# Allegro board 8880F5-0823__zarif.brd (continued)
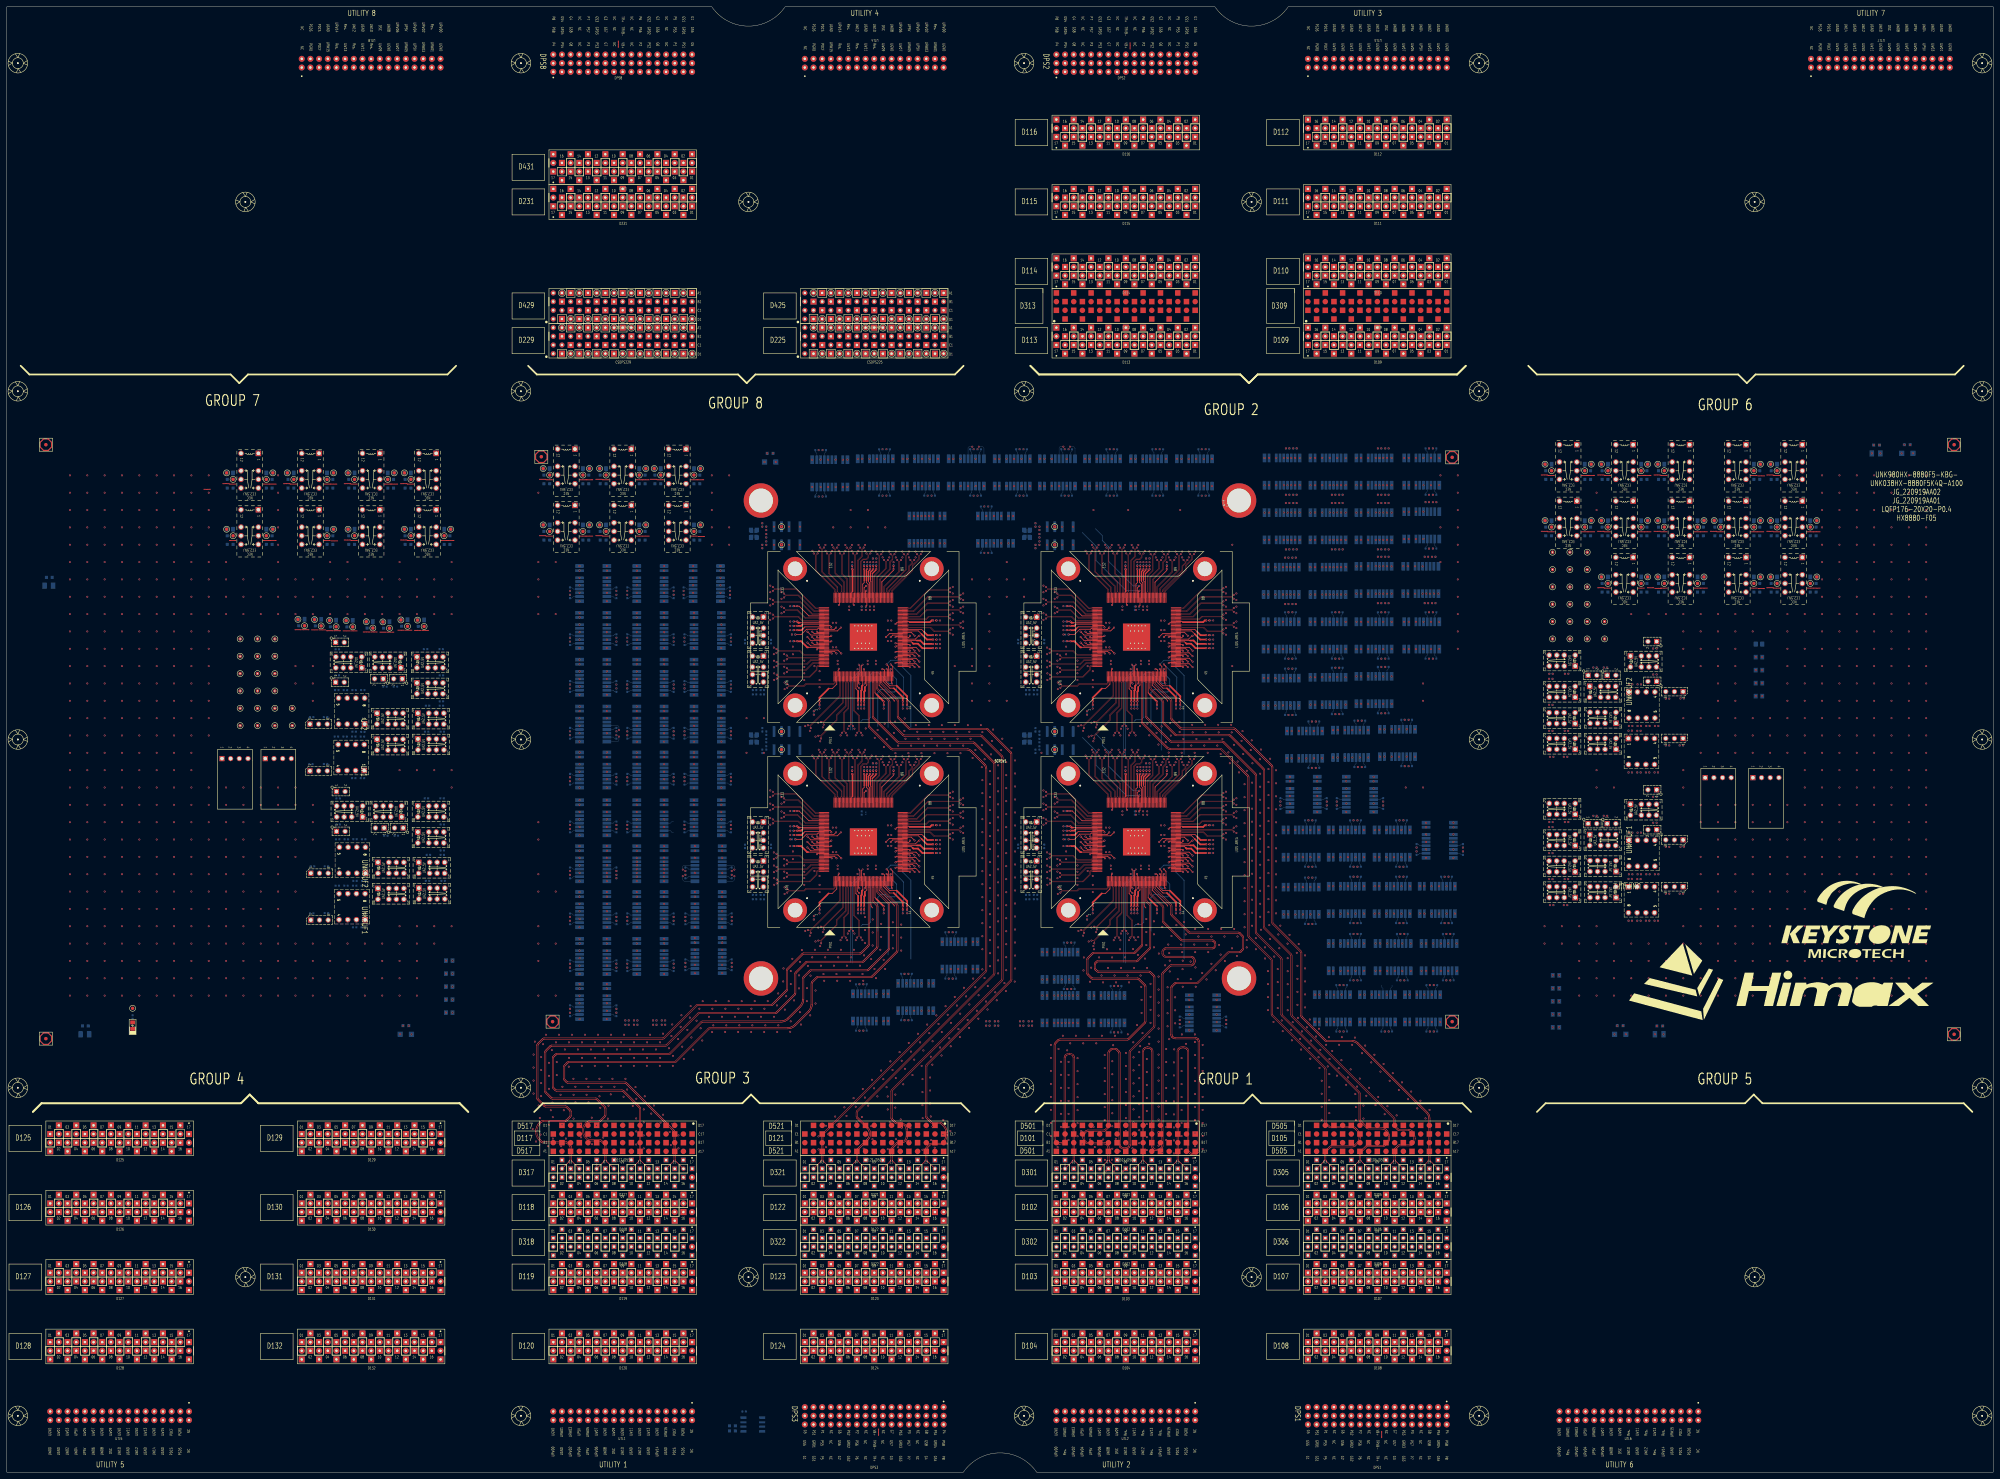
[diagram p0: board, top side]
## Routing (per net, layer and track width the routed paths; a pad name or vN(x,y) marks a point on that pad's centre or on a via; arc(x,y) is an arc through that point) (continued)
D10409: length 413.5
  TOP w0.086: v1(305.39,176.18) 305.85,176.63 314.38,176.63 315.46,177.71 317.6,177.71 317.68,177.63 SITE4.172
  L03_SIGNAL w0.071: v1(382.29,174.18) 381.82,173.71 381.82,172.37 380.29,170.85 380.29,154.51 378.99,153.22 378.99,131.07 359.98,112.07 359.98,16.23 352.84,9.08 284.12,9.08 280.97,12.23 280.97,20.3 283.52,22.85 324.32,22.85 329.61,28.14 329.61,33.61 D104.09
  L28_SIGNAL w0.071: v1(382.29,174.18) 381.82,173.71 381.82,172.79 381.31,172.28 378.13,172.28 377.03,173.38 356.25,173.38 355.47,174.17 323.36,174.17 320.87,176.65 305.87,176.65 v1(305.39,176.18)
D10410: length 457
  TOP w0.086: SITE4.12 326.63,171.48 326.55,171.4 326.55,163.72 325.23,162.4 325.23,157.05 v1(325.68,156.6)
  L03_SIGNAL w0.071: v1(343.47,131.3) 343.94,131.77 345.27,131.77 350.94,126.1 350.94,53.48 343.17,45.7 335.55,45.7 333.66,43.81 333.66,40.79 332.45,39.57 331.67,39.57 D104.10
  L28_SIGNAL w0.071: v1(325.68,156.6) 325.21,156.12 325.21,154.2 318.54,147.52 318.54,142.2 317.73,141.39 317.73,113.34 321.22,109.85 327.4,109.85 330.2,107.05 335.69,107.05 336.28,106.45 338.04,106.45 339.37,107.78 350.11,107.78 352.17,109.85 389.84,109.85 393.78,105.91 409.23,105.91 413.17,109.85 416.36,109.85 417.44,110.93 417.44,112.69 416.9,113.24 396.86,113.24 395.79,112.17 391.11,112.17 389.44,113.84 352.76,113.84 350.72,111.8 343.14,111.8 342.33,110.99 339.36,110.99 337.92,112.43 328.03,112.43 326.93,113.53 326.93,115.75 327.72,116.54 338.03,116.54 340.68,119.19 351.22,119.19 352.67,117.74 366.73,117.74 367.47,118.47 367.47,119.75 366.6,120.62 351.69,120.62 347.05,125.25 347.05,129.55 344.83,131.77 343.94,131.77 v1(343.47,131.3)
D10411: length 413.5
  TOP w0.086: SITE4.171 317.68,178.03 317.6,177.95 315.37,177.95 314.29,176.87 305.85,176.87 v1(305.39,177.32)
  L03_SIGNAL w0.071: D104.11 331.27,34.09 330.31,34.09 329.81,33.59 329.81,28.05 324.41,22.65 283.6,22.65 281.17,20.22 281.17,12.31 284.2,9.28 352.75,9.28 359.79,16.31 359.79,112.15 378.79,131.15 378.79,153.3 380.09,154.6 380.09,170.93 381.62,172.46 381.62,173.71 v1(381.15,174.18)
  L28_SIGNAL w0.071: v1(381.15,174.18) 381.62,173.71 381.62,172.87 381.23,172.48 378.22,172.48 377.11,173.58 356.34,173.58 355.55,174.37 323.44,174.37 320.96,176.85 305.87,176.85 v1(305.39,177.32)
D10412: length 457
  TOP w0.086: v1(324.54,156.6) 324.99,157.05 324.99,162.5 326.31,163.82 326.31,171.4 326.23,171.48 SITE4.11
  L03_SIGNAL w0.071: D104.12 333.86,39.52 333.86,39.62 333.86,43.73 335.64,45.5 343.25,45.5 351.14,53.39 351.14,126.18 345.35,131.97 343.94,131.97 v1(343.47,132.44)
  L28_SIGNAL w0.071: v1(343.47,132.44) 343.94,131.97 344.91,131.97 347.25,129.63 347.25,125.34 351.77,120.82 366.69,120.82 367.67,119.84 367.67,118.39 366.82,117.54 352.59,117.54 351.14,118.99 340.77,118.99 338.11,116.34 327.8,116.34 327.13,115.67 327.13,113.61 328.11,112.63 338,112.63 339.44,111.19 342.25,111.19 343.06,112 350.63,112 352.67,114.04 389.52,114.04 391.19,112.36 395.71,112.36 396.78,113.43 416.98,113.43 417.64,112.77 417.64,110.84 416.45,109.65 413.25,109.65 409.31,105.71 393.7,105.71 389.76,109.65 352.25,109.65 350.19,107.59 339.45,107.59 338.12,106.26 336.2,106.26 335.61,106.85 330.12,106.85 327.32,109.65 321.14,109.65 317.53,113.26 317.53,141.47 318.34,142.28 318.34,147.61 325.01,154.28 325.01,156.12 v1(324.54,156.6)
D10413: length 457
  TOP w0.086: SITE4.8 325.03,171.48 324.95,171.4 324.95,165.37 319.21,159.63 v1(319.21,158.99)
  L03_SIGNAL w0.071: v1(372.94,195.31) 372.46,195.78 371.41,195.78 370.92,195.29 370.92,154.11 370.35,153.54 370.35,149.88 370.92,149.32 370.92,132.96 355.8,117.84 355.8,37.64 347.51,29.35 341.53,29.35 340.18,30.69 340.18,33.2 D104.13
  L28_SIGNAL w0.071: v1(372.94,195.31) 372.46,195.78 365.88,195.78 360.85,200.81 356.39,200.81 352.79,197.21 311.18,197.21 304.17,204.22 304.17,211.73 299.83,216.08 286.04,216.08 285.42,215.46 285.42,214.29 286.19,213.52 300.56,213.52 301.86,212.22 301.86,210.41 300.83,209.38 290.71,209.38 288.21,211.88 286.9,211.88 285.17,210.15 282.3,210.15 278.16,206.01 278.16,179.39 279.63,177.92 279.63,168.48 287.47,160.64 303.65,160.64 304.98,161.97 304.98,165.51 309.32,169.85 315.43,169.85 320.49,164.79 320.49,160.94 319.21,159.66 v1(319.21,158.99)
D10414: length 457
  TOP w0.086: SITE4.10 325.83,171.48 325.75,171.4 325.75,164.32 323.1,161.66 323.1,160.24 318.42,155.56 v1(318.42,154.92)
  L03_SIGNAL w0.071: v1(357.06,131.3) 357.53,131.77 358.93,131.77 360,130.7 360,127.46 353.29,120.74 353.29,51.08 343.54,41.33 343.54,40.13 343.07,39.66 341.92,39.66 D104.14
  L28_SIGNAL w0.071: v1(318.42,154.92) 317.75,154.92 314.61,151.78 314.61,106.83 317.08,104.36 326.33,104.36 327.28,105.32 333.15,105.32 334.36,104.1 351.74,104.1 362.13,93.72 403.95,93.72 404.99,94.76 404.99,96.84 404.05,97.79 363.54,97.79 362.38,98.95 362.38,100.96 363.51,102.1 410.98,102.1 419.97,111.09 419.97,113.34 415.89,117.42 403.78,117.42 402.26,118.93 392.93,118.93 391.41,117.42 373.02,117.42 358.67,131.77 357.53,131.77 v1(357.06,131.3)
D10415: length 457
  TOP w0.086: v1(318.4,159.8) 319.04,159.8 324.71,165.47 324.71,171.4 324.63,171.48 SITE4.7
  L03_SIGNAL w0.071: D104.15 341.81,34.47 341.33,34.47 340.38,33.52 340.38,30.78 341.61,29.55 347.43,29.55 355.6,37.72 355.6,117.92 370.72,133.04 370.72,149.23 370.15,149.8 370.15,153.62 370.72,154.19 370.72,195.37 371.32,195.98 372.46,195.98 v1(372.94,196.45)
  L28_SIGNAL w0.071: v1(372.94,196.45) 372.46,195.98 365.96,195.98 360.93,201.01 356.31,201.01 352.71,197.41 311.26,197.41 304.37,204.3 304.37,211.81 299.91,216.28 285.96,216.28 285.22,215.54 285.22,214.21 286.11,213.32 300.47,213.32 301.66,212.14 301.66,210.49 300.74,209.58 290.79,209.58 288.29,212.08 286.82,212.08 285.09,210.35 282.22,210.35 277.96,206.09 277.96,179.31 279.43,177.84 279.43,168.4 287.38,160.44 303.73,160.44 305.18,161.89 305.18,165.43 309.4,169.65 315.35,169.65 320.3,164.71 320.3,161.03 319.07,159.8 v1(318.4,159.8)
D10416: length 457
  TOP w0.086: v1(317.61,155.73) 318.25,155.73 322.86,160.34 322.86,161.76 325.51,164.41 325.51,171.4 325.43,171.48 SITE4.9
  L03_SIGNAL w0.071: v1(357.06,132.44) 357.53,131.97 359.01,131.97 360.2,130.78 360.2,127.37 353.48,120.66 353.48,50.99 343.74,41.25 343.74,39.9 343.74,39.8 D104.16
  L28_SIGNAL w0.071: v1(357.06,132.44) 357.53,131.97 358.75,131.97 373.1,117.61 391.33,117.61 392.84,119.13 402.35,119.13 403.86,117.61 415.98,117.61 420.17,113.42 420.17,111.01 411.06,101.9 363.6,101.9 362.57,100.88 362.57,99.03 363.62,97.99 404.13,97.99 405.19,96.92 405.19,94.68 404.03,93.52 362.05,93.52 351.66,103.91 334.28,103.91 333.07,105.12 327.36,105.12 326.41,104.17 317,104.17 314.41,106.75 314.41,151.86 317.61,155.06 v1(317.61,155.73)
D10801: length 457
  TOP w0.086: SITE4.5 323.83,171.48 323.91,171.4 323.91,167.47 315.24,158.8 v1(314.6,158.8)
  L03_SIGNAL w0.071: v1(386.52,196.45) 387,195.98 387.43,195.98 388.06,195.35 388.06,190.1 385.9,187.94 385.9,127.71 373.28,115.09 373.28,32.53 376.14,29.67 382.76,29.67 383.66,30.57 383.66,33.26 382.97,33.94 382.62,33.94 D108.01
  L28_SIGNAL w0.071: v1(314.6,158.8) 315.27,158.8 315.63,159.16 315.63,159.74 315.21,160.16 313.47,160.16 309.83,156.51 287.7,156.51 275.45,168.76 275.45,208 279.55,212.1 282.14,212.1 283.58,213.54 283.58,215.39 282.91,216.05 269.64,216.05 268.83,216.87 268.83,218.85 269.6,219.62 298.49,219.62 306.01,212.1 310.22,212.1 315.69,206.62 320.92,206.62 326.3,201.24 334.47,201.24 336.87,198.84 352.94,198.84 357.4,203.3 366.51,203.3 370.15,199.66 372.31,199.66 374.51,197.46 383.29,197.46 384.77,195.98 386.05,195.98 v1(386.52,196.45)
D10802: length 457
  TOP w0.086: v1(330.13,156.61) 329.68,157.05 329.68,161.65 328.15,163.18 328.15,171.4 328.23,171.48 SITE4.16
  L03_SIGNAL w0.071: v1(389.45,195.31) 389.92,195.78 390.47,195.78 391.08,195.17 391.08,186.1 387.7,182.71 387.7,124.31 375.9,112.51 375.9,48.41 379.53,44.78 384.57,44.78 386.56,42.8 386.56,39.69 386.23,39.36 384.8,39.36 D108.02
  L28_SIGNAL w0.071: v1(330.13,156.61) 329.66,156.13 329.66,154.83 329.19,154.36 329.19,147.38 338.9,137.67 448.12,137.67 451.38,140.93 451.38,147.41 457.83,153.85 457.83,196.05 456.57,197.3 392.75,197.3 391.23,195.78 389.92,195.78 v1(389.45,195.31)
D10803: length 457
  TOP w0.086: SITE4.6 324.23,171.48 324.15,171.4 324.15,167.37 315.41,158.63 v1(315.41,157.99)
  L03_SIGNAL w0.071: v1(386.52,195.31) 387,195.78 387.34,195.78 387.86,195.26 387.86,190.18 385.7,188.02 385.7,127.8 373.08,115.17 373.08,32.45 376.06,29.47 382.84,29.47 383.86,30.49 383.86,33.34 D108.03
  L28_SIGNAL w0.071: v1(386.52,195.31) 386.05,195.78 384.69,195.78 383.21,197.26 374.42,197.26 372.22,199.46 370.07,199.46 366.43,203.11 357.48,203.11 353.02,198.64 336.79,198.64 334.39,201.04 326.22,201.04 320.83,206.42 315.61,206.42 310.14,211.9 305.92,211.9 298.41,219.42 269.68,219.42 269.02,218.76 269.02,216.96 269.73,216.25 282.99,216.25 283.78,215.47 283.78,213.45 282.22,211.9 279.64,211.9 275.65,207.92 275.65,168.84 287.78,156.71 309.74,156.71 313.39,160.35 315.3,160.35 315.82,159.83 315.82,159.08 315.41,158.66 v1(315.41,157.99)
D10804: length 457
  TOP w0.086: v1(328.99,156.61) 329.45,157.06 329.45,161.55 327.91,163.08 327.91,171.4 327.83,171.48 SITE4.15
  L03_SIGNAL w0.071: v1(389.45,196.45) 389.92,195.98 390.55,195.98 391.28,195.25 391.28,186.01 387.9,182.63 387.9,124.22 376.1,112.43 376.1,48.49 379.61,44.98 384.65,44.98 386.76,42.88 386.76,39.96 D108.04
  L28_SIGNAL w0.071: v1(328.99,156.61) 329.46,156.13 329.46,154.91 328.99,154.44 328.99,147.3 338.82,137.47 448.2,137.47 451.58,140.85 451.58,147.32 458.03,153.77 458.03,196.13 456.65,197.5 392.67,197.5 391.14,195.98 389.92,195.98 v1(389.45,196.45)
D10805: length 413.5
  TOP w0.086: v1(305.46,173.61) 305.91,173.16 315.09,173.16 317.01,175.08 317.01,175.98 317.38,176.35 317.6,176.35 317.68,176.43 SITE4.175
  L03_SIGNAL w0.071: D108.05 392.36,34.36 392.62,34.36 393.84,33.13 393.84,26.23 397.32,22.76 397.32,12.65 398.59,11.37 439.55,11.37 440.92,10.01 440.92,6.25 439.34,4.67 373.83,4.67 370.11,8.39 370.11,116.61 383.73,130.23 383.73,161.54 383.15,162.12 382.21,162.12 381.62,161.53 381.62,161.06 v1(381.15,160.59)
  L28_SIGNAL w0.071: v1(381.15,160.59) 381.62,160.12 381.62,159.16 381.16,158.7 379.86,158.7 378.93,159.63 378.93,164.47 374.8,168.6 355.85,168.6 352.2,172.25 328.12,172.25 326.97,171.1 318.09,171.1 316.06,173.14 305.93,173.14 v1(305.46,173.61)
D10806: length 413.5
  TOP w0.086: SITE4.170 317.68,178.43 317.6,178.5 308.77,178.5 v1(308.38,178.12)
  L03_SIGNAL w0.071: D108.06 395.77,40.17 395.77,46.89 393.37,49.3 380.79,49.3 378.63,51.46 378.63,89.43 387.04,97.84 393.32,97.84 396.03,100.55 396.03,110.42 397.26,111.65 397.26,116.28 395.33,118.21 395.33,141.04 396.28,141.99 396.28,166.48 395.46,167.3 392.82,167.3 391.96,166.44 391.96,145.91 392.66,145.21 392.66,117.33 393.71,116.28 393.71,113.57 392.66,112.52 392.66,103.75 391.98,103.07 390.19,103.07 389.46,103.8 389.46,111.41 388.52,112.35 388.52,119.42 389.38,120.28 389.38,175.97 393.08,179.67 394.19,179.67 395.03,178.83 395.03,177.83 v1(395.5,177.36)
  L28_SIGNAL w0.071: v1(395.5,177.36) 395.03,176.88 395.03,176.41 393.79,175.17 390.99,175.17 387.99,178.17 369.59,178.17 368.26,176.84 361.66,176.84 360.34,178.17 344.11,178.17 343.79,177.84 339.33,177.84 338.59,178.59 308.85,178.59 v1(308.38,178.12)
D10807: length 413.5
  TOP w0.086: v1(305.46,172.46) 305.91,172.92 315.19,172.92 317.25,174.98 317.25,175.88 317.48,176.11 317.6,176.11 317.68,176.03 SITE4.176
  L03_SIGNAL w0.071: D108.07 394.04,33.36 394.04,26.32 397.52,22.84 397.52,12.73 398.68,11.57 439.64,11.57 441.12,10.09 441.12,6.17 439.42,4.48 373.74,4.48 369.91,8.31 369.91,116.69 383.53,130.31 383.53,161.46 383.07,161.92 382.29,161.92 381.82,161.45 381.82,161.06 v1(382.29,160.59)
  L28_SIGNAL w0.071: v1(382.29,160.59) 381.82,160.12 381.82,159.07 381.24,158.5 379.78,158.5 378.73,159.55 378.73,164.39 374.72,168.4 355.76,168.4 352.12,172.05 328.2,172.05 327.06,170.9 318.01,170.9 315.98,172.94 305.93,172.94 v1(305.46,172.46)
D10808: length 413.5
  TOP w0.086: v1(308.38,179.26) 308.9,178.74 317.59,178.74 317.68,178.83 SITE4.169
  L03_SIGNAL w0.071: v1(394.35,177.36) 394.83,177.83 394.83,178.74 394.1,179.47 393.16,179.47 389.58,175.89 389.58,120.2 388.72,119.34 388.72,112.44 389.66,111.49 389.66,103.88 390.27,103.27 391.9,103.27 392.47,103.84 392.47,112.61 393.52,113.66 393.52,116.19 392.47,117.24 392.47,145.12 391.76,145.83 391.76,166.52 392.74,167.5 395.54,167.5 396.48,166.56 396.48,141.91 395.53,140.96 395.53,118.29 397.46,116.36 397.46,111.57 396.23,110.34 396.23,100.47 393.4,97.64 387.12,97.64 378.82,89.35 378.82,51.54 380.87,49.5 393.45,49.5 395.97,46.97 395.97,39.85 396.31,39.52 397.36,39.52 D108.08
  L28_SIGNAL w0.071: v1(308.38,179.26) 308.85,178.79 338.67,178.79 339.41,178.04 343.71,178.04 344.03,178.37 360.42,178.37 361.75,177.04 368.18,177.04 369.5,178.37 388.07,178.37 391.07,175.37 393.71,175.37 394.83,176.49 394.83,176.88 v1(394.35,177.36)
D10809: length 413.5
  TOP w0.086: SITE4.2 322.63,171.48 322.55,171.4 322.55,171.18 322.13,170.76 314.03,170.76 313.52,170.25 308.97,170.25 v1(308.51,169.79)
  L03_SIGNAL w0.071: D108.09 403.05,33.83 403.05,33.76 403.05,27.38 406.76,23.67 442.9,23.67 449.17,29.94 449.17,170.3 431.9,187.58 410.3,187.58 408.49,189.39 408.49,190.47 v1(408.96,190.94)
  L28_SIGNAL w0.071: v1(308.51,169.79) 308.98,170.26 315.7,170.26 317.31,168.66 338.84,168.66 340.58,170.4 352.14,170.4 357.08,165.46 374.5,165.46 376.17,163.79 376.17,160.45 380.09,156.53 409.45,156.53 411.61,158.69 411.61,186.22 408.49,189.33 408.49,190.47 v1(408.96,190.94)
D10810: length 413.5
  TOP w0.086: v1(305.36,180.02) 305.84,180.5 312.15,180.5 313.34,179.31 317.6,179.31 317.68,179.23 SITE4.168
  L03_SIGNAL w0.071: v1(395.5,190.94) 395.02,191.42 395.03,191.42 395.03,192.06 395.91,192.94 398.26,192.94 401.14,190.06 401.14,158.34 403.15,156.33 403.15,145.75 401.14,143.74 401.14,113.93 423.52,91.55 423.52,52.98 421.15,50.62 411.07,50.62 406.52,46.07 406.52,40.52 406.21,40.2 405.96,40.2 D108.10
  L28_SIGNAL w0.071: v1(395.5,190.94) 395.03,190.47 395.03,189.79 394.23,188.99 368.85,188.99 368.03,188.17 362.37,188.17 360.58,189.95 358.91,189.95 357.53,188.57 355.6,188.57 347.79,196.38 310.44,196.38 300.63,206.18 286.89,206.18 286.08,205.38 282.14,205.38 281.08,204.32 281.08,170.72 287.56,164.24 301.79,164.24 303.06,165.51 303.06,182.81 303.84,183.59 307.75,183.59 308.41,182.94 308.41,181.11 307.79,180.49 305.83,180.49 v1(305.36,180.02)
D10811: length 413.5
  TOP w0.086: SITE4.1 322.23,171.48 322.31,171.4 322.31,171.28 322.03,171 313.93,171 313.42,170.49 308.95,170.49 v1(308.51,170.93)
  L03_SIGNAL w0.071: v1(407.82,190.94) 408.29,190.47 408.29,189.31 410.21,187.38 431.81,187.38 448.98,170.22 448.98,30.02 442.82,23.86 406.84,23.86 403.25,27.46 403.25,33.78 403.69,34.22 405.06,34.22 D108.11
  L28_SIGNAL w0.071: v1(407.82,190.94) 408.29,190.47 408.29,189.25 411.41,186.13 411.41,158.77 409.37,156.73 380.17,156.73 376.37,160.53 376.37,163.87 374.59,165.65 357.17,165.65 352.23,170.59 340.5,170.59 338.76,168.85 317.39,168.85 315.78,170.46 308.98,170.46 v1(308.51,170.93)
D10812: length 413.5
  TOP w0.086: SITE4.167 317.68,179.63 317.6,179.55 313.44,179.55 312.25,180.74 305.78,180.74 v1(305.36,181.16)
  L03_SIGNAL w0.071: v1(394.35,190.94) 394.83,191.42 394.83,192.14 395.82,193.14 398.34,193.14 401.34,190.14 401.34,158.42 403.35,156.42 403.35,145.67 401.34,143.66 401.34,114.01 423.72,91.63 423.72,52.9 421.24,50.42 411.15,50.42 406.72,45.99 406.72,40.32 D108.12
  L28_SIGNAL w0.071: v1(305.36,181.16) 305.83,180.69 307.71,180.69 308.21,181.2 308.21,182.86 307.67,183.4 303.92,183.4 303.26,182.73 303.26,165.43 301.87,164.04 287.47,164.04 280.88,170.63 280.88,204.4 282.06,205.57 286,205.57 286.8,206.38 300.72,206.38 310.52,196.58 347.87,196.58 355.68,188.77 357.45,188.77 358.83,190.15 360.67,190.15 362.45,188.37 367.95,188.37 368.77,189.19 394.15,189.19 394.83,189.87 394.83,190.47 v1(394.35,190.94)
D10813: length 413.5
  TOP w0.086: SITE4.174 317.68,176.83 317.6,176.91 316.1,176.91 314.04,174.85 308.85,174.85 v1(308.4,174.39)
  L03_SIGNAL w0.071: D108.13 413.47,33.57 413.47,29.69 417.25,25.91 433.91,25.91 437.47,29.47 437.47,64.43 438.76,65.71 440.67,65.71 442.14,64.25 442.14,30.34 443.63,28.85 445.13,28.85 446.27,29.99 446.27,168.65 442.15,172.77 412.08,172.77 408.49,176.36 408.49,176.88 v1(408.96,177.36)
  L28_SIGNAL w0.071: v1(408.96,177.36) 408.49,176.88 408.49,175.62 407.98,175.12 406.69,175.12 401.91,170.33 368.99,170.33 368.09,169.44 365.95,169.44 365.05,170.33 355.38,170.33 352.69,173.03 317.3,173.03 315.46,174.87 308.87,174.87 v1(308.4,174.39)
D10814: length 457
  TOP w0.086: v1(327.8,158.55) 327.35,159 327.35,171.4 327.43,171.48 SITE4.14
  L03_SIGNAL w0.071: v1(403.03,195.31) 403.51,195.78 404.72,195.78 406.77,193.72 406.77,168.76 411.72,163.82 411.72,116.3 434.25,93.77 434.25,55.01 426.58,47.35 418.69,47.35 416.73,45.38 416.73,40.05 416.32,39.64 415.56,39.64 D108.14
  L28_SIGNAL w0.071: v1(327.8,158.55) 327.33,159.02 327.33,159.27 327.65,159.6 330.83,159.6 337.3,153.12 356.58,153.12 357.88,154.42 373.09,154.42 374.39,153.12 434.59,153.12 438,156.54 438,162.02 439.98,164 442.08,164 444.11,161.97 444.11,142.79 445.59,141.31 448.68,141.31 449.71,142.34 449.71,191.47 447.18,194 402.15,194 401.7,194.45 401.7,195.3 402.17,195.78 402.56,195.78 v1(403.03,195.31)
D10815: length 413.5
  TOP w0.086: v1(308.4,175.54) 308.85,175.08 313.94,175.08 316,177.15 317.6,177.15 317.68,177.23 SITE4.173
  L03_SIGNAL w0.071: D108.15 415.06,34.06 414.05,34.06 413.67,33.68 413.67,29.77 417.33,26.11 433.83,26.11 437.28,29.56 437.28,64.51 438.68,65.91 440.75,65.91 442.33,64.33 442.33,30.42 443.71,29.04 445.05,29.04 446.07,30.07 446.07,168.56 442.06,172.57 411.99,172.57 408.29,176.28 408.29,176.88 v1(407.82,177.36)
  L28_SIGNAL w0.071: v1(308.4,175.54) 308.87,175.06 315.55,175.06 317.39,173.22 352.77,173.22 355.46,170.53 365.13,170.53 366.03,169.63 368.01,169.63 368.9,170.53 401.83,170.53 406.61,175.31 407.9,175.31 408.29,175.71 408.29,176.88 v1(407.82,177.36)
D10816: length 457
  TOP w0.086: v1(326.65,158.55) 327.11,159 327.11,171.4 327.03,171.48 SITE4.13
  L03_SIGNAL w0.071: D108.16 416.92,40.28 416.92,45.3 418.77,47.15 426.66,47.15 434.45,54.93 434.45,93.85 411.91,116.38 411.91,163.9 406.97,168.84 406.97,193.81 404.8,195.98 403.51,195.98 v1(403.03,196.45)
  L28_SIGNAL w0.071: v1(403.03,196.45) 402.56,195.98 402.09,195.98 401.5,195.39 401.5,194.37 402.07,193.8 447.1,193.8 449.51,191.39 449.51,142.42 448.6,141.51 445.67,141.51 444.31,142.87 444.31,162.05 442.16,164.2 439.9,164.2 437.8,162.1 437.8,156.62 434.51,153.32 374.48,153.32 373.18,154.62 357.8,154.62 356.5,153.32 337.39,153.32 330.91,159.8 327.57,159.8 327.13,159.36 327.13,159.02 v1(326.65,158.55)
D10901: length 413.5
  TOP w0.086: v1(305.46,232.46) 305.91,232.92 315.19,232.92 317.25,234.98 317.25,235.88 317.48,236.11 317.6,236.11 317.68,236.03 SITE2.176
  L03_SIGNAL w0.071: v1(383.31,206.31) 382.83,205.84 382.83,205.84 382.83,202.23 384.53,200.52 386.3,200.52 396.77,211 445.87,211 449.68,207.19 468.78,207.19 473.28,211.69 473.28,241.91 481.56,250.2 481.56,313.9 454.87,340.6 421.04,340.6 418.67,338.24 418.67,334.77 419.46,333.98 420.4,333.98 D109.01
  L28_SIGNAL w0.071: v1(305.46,232.46) 305.93,232.94 315.51,232.94 317.5,230.94 327.72,230.94 328.47,231.69 334.92,231.69 341.38,225.23 341.38,222.77 344.37,219.78 355.84,219.78 359.7,223.64 378.04,223.64 379.66,222.03 379.66,205.84 381.46,204.04 382.36,204.04 382.83,204.51 382.83,205.84 v1(383.31,206.31)
D10902: length 413.5
  TOP w0.086: SITE2.168 317.68,239.23 317.6,239.31 313.34,239.31 312.15,240.5 305.84,240.5 v1(305.36,240.02)
  L03_SIGNAL w0.071: D109.02 416.85,327.95 416.85,326.44 417.83,325.47 420.5,325.47 433.47,338.45 453.91,338.45 479.45,312.9 479.45,250.54 467.02,238.11 467.02,232.42 465.09,230.49 465.09,226.27 466.18,225.18 468.61,225.18 469.9,223.89 469.9,214.44 468.92,213.46 443.25,213.46 438.55,218.16 428.5,218.16 423.85,213.51 411.12,213.51 408.33,216.3 408.33,235.19 405.96,237.56 403.64,237.56 403.15,237.07 403.15,236.37 v1(403.63,235.9)
  L28_SIGNAL w0.071: v1(403.63,235.9) 403.15,235.43 403.15,234.71 402.66,234.21 401.67,234.21 400.89,234.99 400.89,237.63 396.13,242.39 387.8,242.39 379.77,234.35 354.63,234.35 346.09,242.89 344.24,242.89 342.39,241.04 338.76,241.04 337.86,241.94 324.05,241.94 323.37,242.62 321.24,242.62 320.69,242.08 313.16,242.08 311.57,240.49 305.83,240.49 v1(305.36,240.02)
D10903: length 413.5
  TOP w0.086: SITE2.175 317.68,236.43 317.6,236.35 317.38,236.35 317.01,235.98 317.01,235.08 315.09,233.16 305.91,233.16 v1(305.46,233.61)
  L03_SIGNAL w0.071: D109.03 418.47,334.65 418.47,338.32 420.95,340.8 454.95,340.8 481.76,313.98 481.76,250.12 473.48,241.83 473.48,211.61 468.86,206.99 449.59,206.99 445.79,210.8 396.85,210.8 386.38,200.33 384.45,200.33 382.63,202.14 382.63,205.84 v1(382.16,206.31)
  L28_SIGNAL w0.071: v1(305.46,233.61) 305.93,233.14 315.59,233.14 317.58,231.14 327.64,231.14 328.39,231.89 335,231.89 341.58,225.31 341.58,222.86 344.46,219.98 355.76,219.98 359.62,223.84 378.13,223.84 379.85,222.11 379.85,205.92 381.54,204.23 382.28,204.23 382.63,204.59 382.63,205.84 v1(382.16,206.31)
D10904: length 413.5
  TOP w0.086: SITE2.167 317.68,239.63 317.6,239.55 313.44,239.55 312.25,240.74 305.78,240.74 v1(305.36,241.16)
  L03_SIGNAL w0.071: v1(402.48,235.9) 402.95,236.37 402.95,237.15 403.55,237.75 406.05,237.75 408.53,235.27 408.53,216.38 411.21,213.71 423.77,213.71 428.42,218.36 438.63,218.36 443.33,213.65 468.84,213.65 469.7,214.52 469.7,223.8 468.52,224.99 466.1,224.99 464.89,226.19 464.89,230.57 466.83,232.5 466.83,238.19 479.26,250.62 479.26,312.82 453.83,338.25 433.56,338.25 420.58,325.27 417.75,325.27 416.66,326.36 416.66,327.92 415.62,328.95 415.27,328.95 D109.04
  L28_SIGNAL w0.071: v1(402.48,235.9) 402.95,235.43 402.95,234.79 402.57,234.41 401.76,234.41 401.09,235.08 401.09,237.71 396.21,242.59 387.72,242.59 379.69,234.55 354.71,234.55 346.17,243.09 344.15,243.09 342.31,241.24 338.85,241.24 337.94,242.14 324.14,242.14 323.45,242.82 321.15,242.82 320.61,242.28 313.07,242.28 311.49,240.69 305.83,240.69 v1(305.36,241.16)
D10905: length 413.5
  TOP w0.086: SITE2.174 317.68,236.83 317.6,236.91 316.1,236.91 314.04,234.85 308.85,234.85 v1(308.4,234.39)
  L03_SIGNAL w0.071: D109.05 410.1,334.12 409.43,334.12 408.32,335.23 408.32,338.98 412.36,343.02 455.7,343.02 484.37,314.36 484.37,214.55 479.72,209.9 474.8,209.9 469.39,204.49 397.13,204.49 396.3,205.33 396.3,206.09 v1(396.77,206.57)
  L28_SIGNAL w0.071: v1(308.4,234.39) 308.87,234.87 316.32,234.87 318.3,232.88 335.35,232.88 338.58,229.65 374.58,229.65 381.07,223.16 381.07,213.9 382.17,212.8 390.37,212.8 393.21,209.95 393.21,206.1 394.66,204.66 395.8,204.66 396.29,205.15 396.29,206.09 v1(396.77,206.57)
D10906: length 413.5
  TOP w0.086: SITE2.170 317.68,238.43 317.6,238.5 308.77,238.5 v1(308.38,238.12)
  L03_SIGNAL w0.071: v1(403.63,222.31) 403.15,222.79 403.15,224.22 399.96,227.41 399.96,237.64 401.82,239.49 407.12,239.49 411.61,235 411.61,223.73 414.81,220.53 443.81,220.53 448.31,225.03 448.31,303.05 451.47,306.21 468,306.21 472.1,310.31 472.1,316.17 465.34,322.93 445.01,322.93 438.86,316.78 438.86,312.13 436.11,309.37 419.87,309.37 406.57,322.66 406.57,327.83 D109.06
  L28_SIGNAL w0.071: v1(403.63,222.31) 403.15,221.84 403.15,219.87 402.09,218.8 400.56,218.8 399.62,219.74 399.62,221 397.82,222.8 395.6,222.8 394.48,221.68 394.48,219.01 392.06,216.6 387.69,216.6 385.91,218.38 385.91,226.91 379.51,233.31 342.93,233.31 337.65,238.59 308.85,238.59 v1(308.38,238.12)
D10907: length 413.5
  TOP w0.086: SITE2.173 317.68,237.23 317.6,237.15 316,237.15 313.94,235.08 308.85,235.08 v1(308.4,235.54)
  L03_SIGNAL w0.071: v1(395.62,206.57) 396.1,206.09 396.1,205.24 397.05,204.29 469.48,204.29 474.89,209.7 479.8,209.7 484.57,214.47 484.57,314.44 455.79,343.22 412.28,343.22 408.12,339.06 408.12,334.46 D109.07
  L28_SIGNAL w0.071: v1(395.62,206.57) 396.1,206.09 396.1,205.23 395.72,204.86 394.74,204.86 393.41,206.19 393.41,210.04 390.45,213 382.25,213 381.27,213.98 381.27,223.24 374.66,229.85 338.66,229.85 335.43,233.08 318.38,233.08 316.4,235.06 308.87,235.06 v1(308.4,235.54)
D10908: length 413.5
  TOP w0.086: v1(308.38,239.26) 308.9,238.74 317.59,238.74 317.68,238.83 SITE2.169
  L03_SIGNAL w0.071: v1(402.48,222.31) 402.95,222.79 402.95,224.13 399.76,227.32 399.76,237.72 401.73,239.69 407.2,239.69 411.81,235.08 411.81,223.81 414.89,220.73 443.73,220.73 448.11,225.11 448.11,303.13 451.39,306.41 467.92,306.41 471.9,310.39 471.9,316.09 465.26,322.73 445.09,322.73 439.06,316.7 439.06,312.04 436.19,309.17 419.78,309.17 406.38,322.58 406.38,328.05 405.27,329.15 404.91,329.15 D109.08
  L28_SIGNAL w0.071: v1(308.38,239.26) 308.85,238.79 337.74,238.79 343.01,233.51 379.59,233.51 386.11,226.99 386.11,218.46 387.78,216.8 391.98,216.8 394.28,219.1 394.28,221.76 395.52,223 397.9,223 399.82,221.08 399.82,219.82 400.64,219 402,219 402.95,219.95 402.95,221.84 v1(402.48,222.31)
D10909: length 457
  TOP w0.086: v1(327.8,218.55) 327.35,218.99 327.35,231.4 327.43,231.48 SITE2.14
  L03_SIGNAL w0.071: v1(390.16,235.65) 389.69,235.18 389.69,234.5 389.3,234.11 387.54,234.11 384.17,237.47 384.17,309.51 373.17,320.51 373.17,339.36 375.91,342.1 395.85,342.1 399.52,338.42 399.52,334.54 D109.09